# Altium PCB Power Board.PcbDoc (part 2 of 3) (continued)
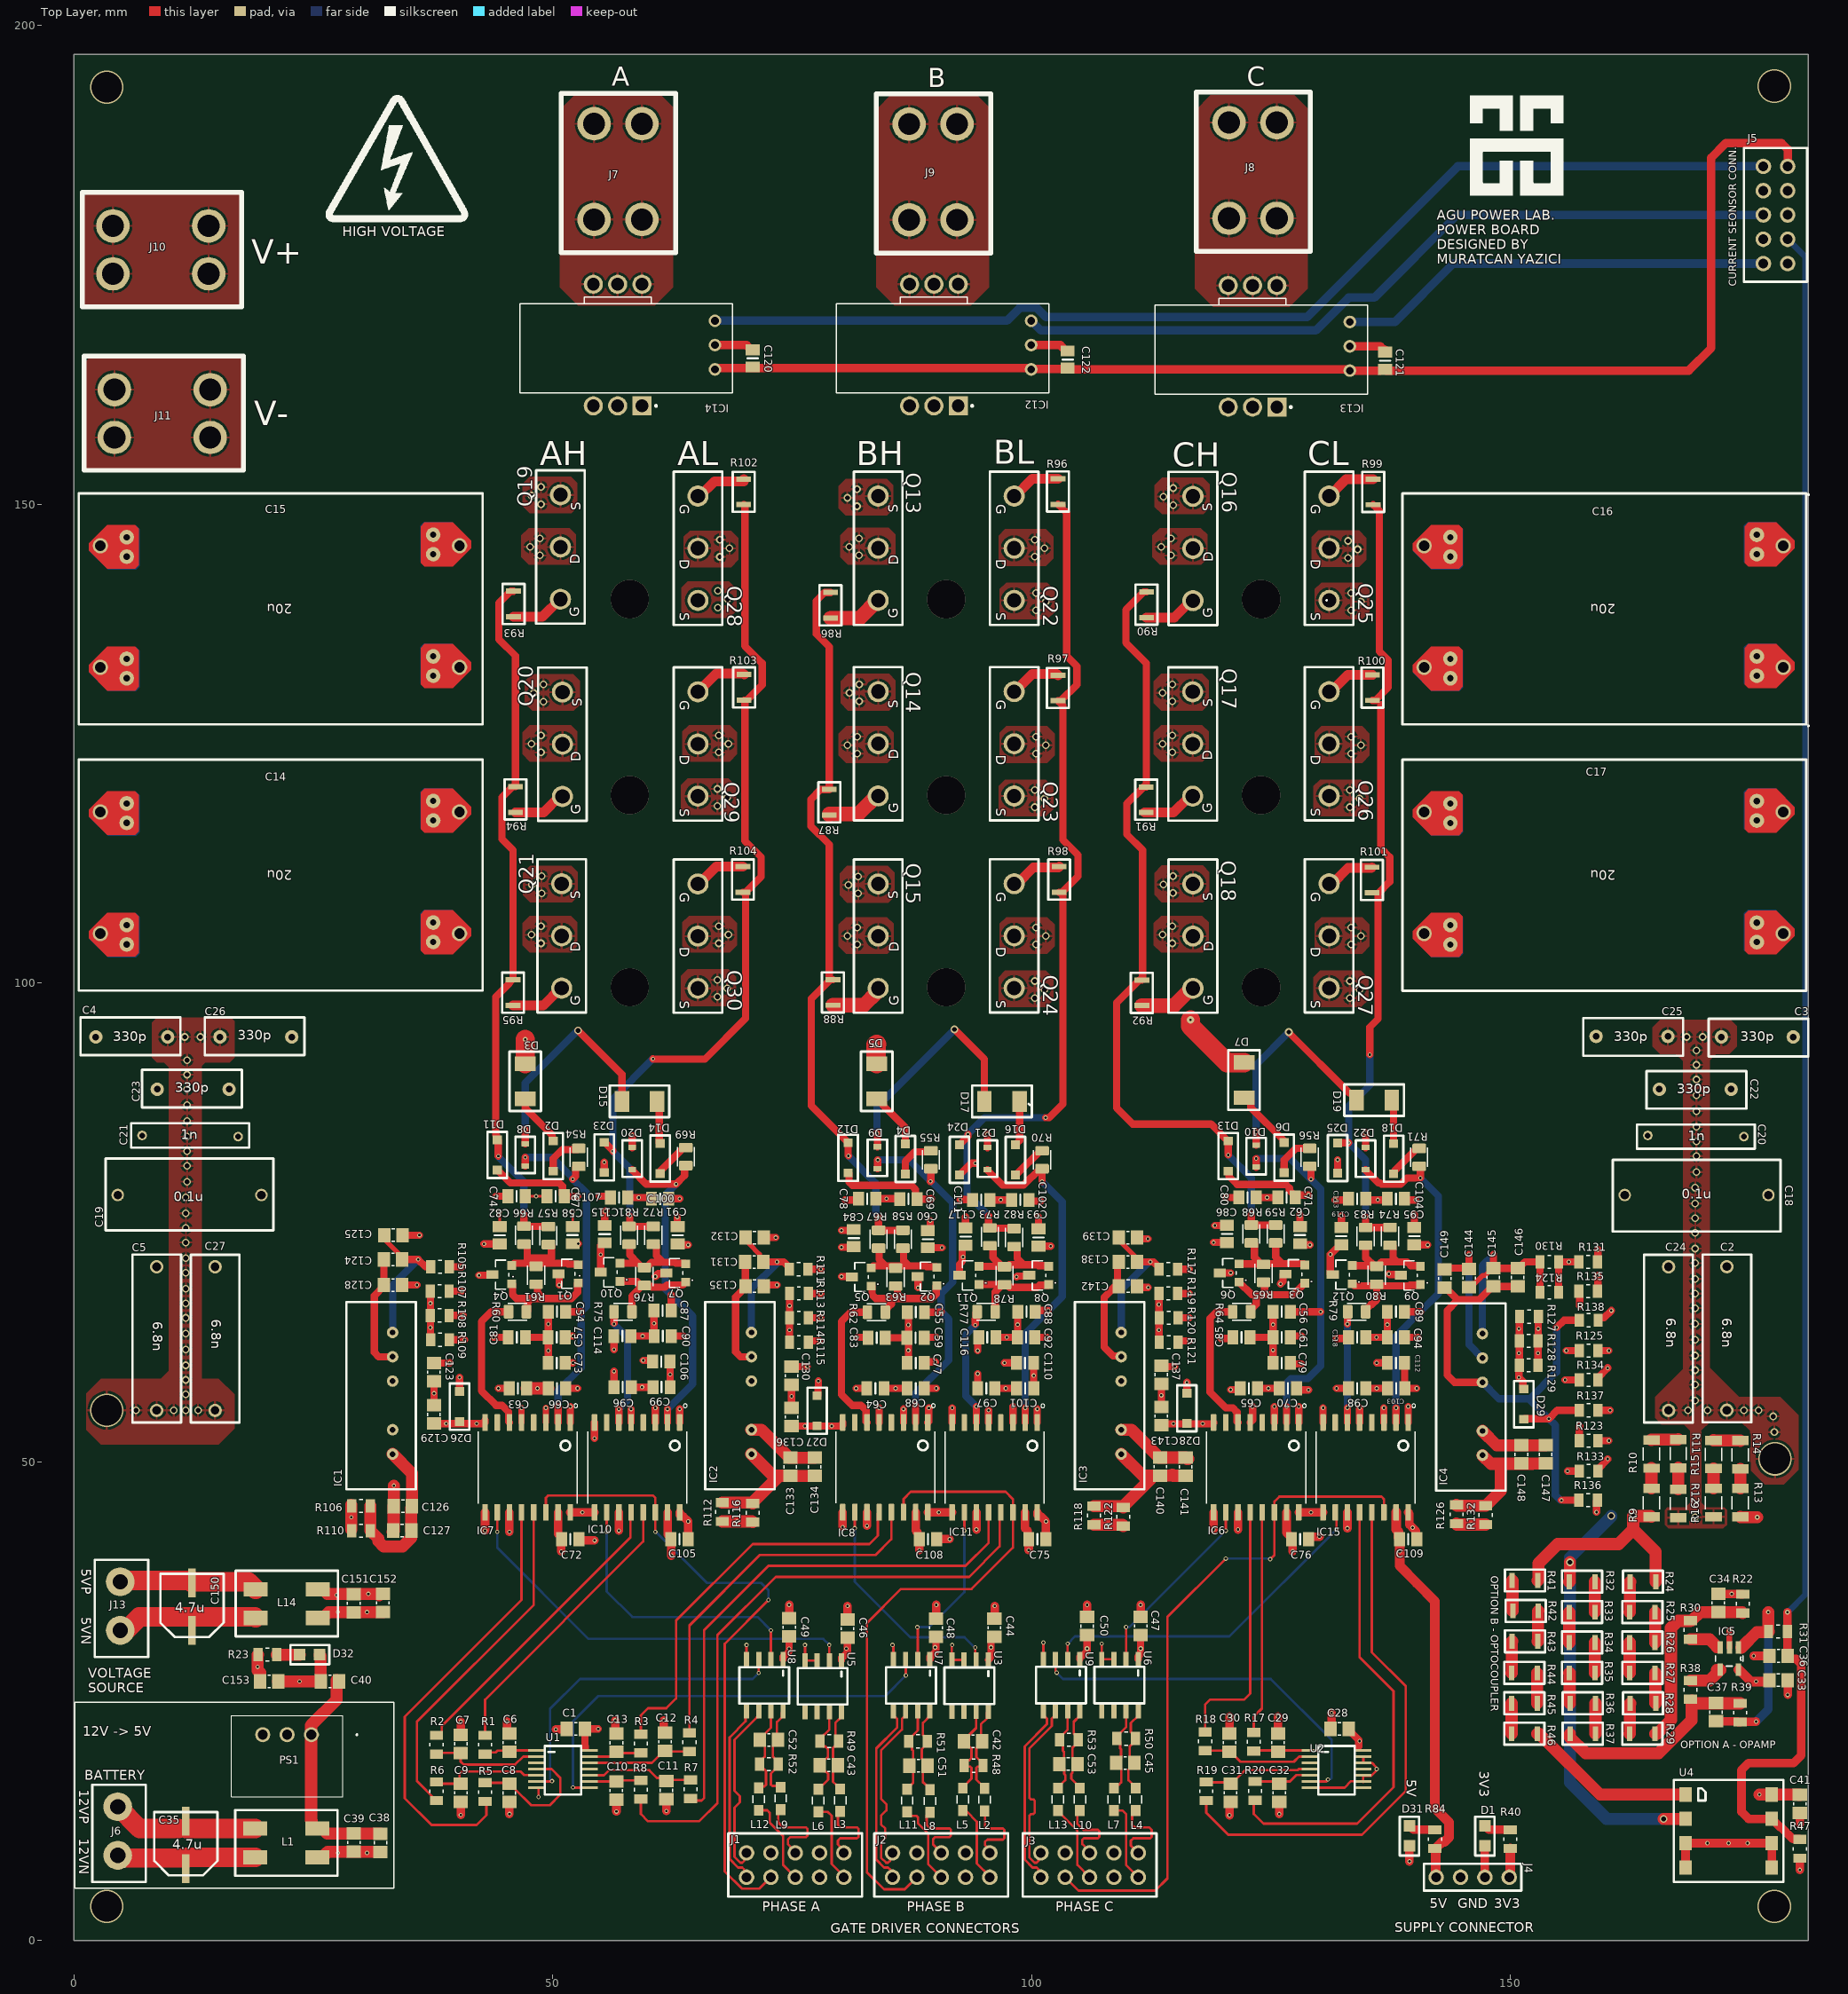
[diagram p0: Top Layer view]
## Nets (pads, with @x,y where several pads share a name; then routed paths per layer and width w, separated by ;. In a path a pad name is that pad's centre, name@x,y a point inside that pad or via, vN(x,y) a via of type N, cw(c..) or ccw(c..) an arc to the next point about the centre after c; other vN are vias at no path point) (continued)
NetC56_1: C56.1 D10.1 IC6.2 R56.1 | length 40.3
  Top Layer w0.762: D10.1@123.444,80.765 v1(123.444,81.661) ; IC6.2@126.619,54.093 v1(126.619,55.753) ; C56.1@127,65.659 v1(130.175,65.659) ; R56.1@129.032,80.853 129.04,80.853 129.159,80.734 v1@129.159,79.629
  Bottom Layer w0.762: v1(123.444,81.661) 127,81.661 v1(129.159,79.502) 130.175,78.486 v1(130.175,65.659) 130.175,60.009 128.84,58.674 127.065,58.674 126.619,58.228 v1(126.619,55.753)
NetC87_1: C87.1 D20.1 IC10.2 R69.1 | length 36.9
  Top Layer w0.762: D20.1@58.293,80.511 58.293,80.439 59.738,78.994 v1(62.865,78.994) 63.754,79.883 63.754,80.815 63.873,80.934 R69.1@63.881,80.934 ; IC10.2@61.976,54.093 v1(61.976,55.499) ; C87.1@62.357,65.786 v1(62.357,67.437)
  Bottom Layer w0.762: v1(61.976,55.499) 64.592,58.115 64.592,65.202 61.747,68.047 61.747,77.876 v1(62.865,78.994)
NetC88_1: C88.1 D21.1 IC11.2 R70.1 | length 37.6
  Top Layer w0.762: D21.1@95.377,80.511 95.377,80.439 96.942,78.874 99.157,78.874 100.882,80.599 R70.1@101.092,80.599 v1(101.092,79.248) ; IC11.2@99.314,54.084 v1(99.314,55.626) ; C88.1@100.352,65.659 100.479,65.786 v1(101.727,65.786)
  Bottom Layer w0.762: v1(99.314,55.626) 99.314,63.373 v1(101.727,65.786) 103.2,67.259 103.2,77.14 v1(101.092,79.248)
NetC89_1: C89.1 D22.1 IC15.2 R71.1 | length 37.8
  Top Layer w0.762: D22.1@134.874,80.511 134.874,80.439 136.192,79.121 136.398,79.121 136.542,78.977 138.533,78.977 139.185,79.629 v1(140.589,79.629) 140.589,80.772 140.508,80.853 R71.1@140.462,80.853 ; IC15.2@138.049,54.093 v1(138.049,55.626) ; C89.1@138.938,65.659 v1(140.589,65.659)
  Bottom Layer w0.762: v1(138.049,55.626) 138.049,63.119 v1(140.589,65.659) 142.469,67.539 142.469,77.749 v1(140.589,79.629)
NetC124_1: C124.1 C125.1 IC1.5 R105.1 | length 15.3
  Top Layer w0.508: C125.1@32.512,73.538 32.512,73.152 C124.1@34.417,71.247
  Top Layer w0.762: C125.1@32.39,73.66 C125.1@32.512,73.538 ; C124.1@34.268,71.121 v1(35.941,71.12) v1(35.941,71.12) 36.703,70.358 R105.1@37.249,70.358
  Bottom Layer w0.762: IC1.5@33.274,63.5 33.274,68.453 v1(35.941,71.12)
NetC124_2: C124.2 C128.1 IC1.4 | length 12.2
  Top Layer w0.762: C124.2@32.368,71.121 C128.1@32.368,68.454 32.368,68.354 31.369,67.355 31.369,61.406 31.815,60.96 IC1.4@33.274,60.96
NetC126_1: C126.1 C127.1 IC1.1 R106.2 R110.2 | length 16.9
  Top Layer w1.27: R106.2@30.95,45.384 R110.2@30.95,42.799 31.778,41.971 31.778,41.696 32.326,41.148 34.308,41.148 35.202,42.042 ; IC1.1@33.274,50.8 35.294,48.78 C126.1@35.294,45.354 35.294,45.254 35.217,45.177 C127.1@35.217,42.814
NetC131_1: C131.1 C132.1 IC2.5 R111.1 | length 14.7
  Top Layer w0.508: C132.1@70.109,73.406 70.505,73.01 70.505,72.751 71.586,71.67 71.586,71.363 71.702,71.247 C131.1@72.009,71.247
  Top Layer w0.762: C131.1@71.982,70.867 74.123,70.867 74.676,70.314 R111.1@74.676,70.104
  Bottom Layer w0.762: IC2.5@70.739,63.5 70.739,68.072 73.406,70.739 v1(73.406,70.866)
NetC131_2: C131.2 C135.1 IC2.4 | length 11.7
  Top Layer w0.762: C131.2@70.082,70.867 70.095,70.854 70.095,68.34 C135.1@70.109,68.326 70.109,68.226 69.088,67.205 69.088,61.468 69.596,60.96 IC2.4@70.739,60.96
NetC133_1: C133.1 C134.1 IC2.1 R112.2 R116.2 | length 14.8
  Top Layer w1.27: R112.2@67.691,45.72 70.811,45.72 70.866,45.665 R116.2@70.866,45.644 70.866,45.744 73.651,48.529 ; IC2.1@70.739,50.8 73.01,48.529 73.651,48.529 ; C134.1@77.343,48.519 77.341,48.516 74.805,48.516 C133.1@74.803,48.514 74.788,48.529 73.651,48.529
NetC138_1: C138.1 C139.1 IC3.5 R117.1 | length 14.2
  Top Layer w0.508: C139.1@109.093,73.401 109.093,73.152 C138.1@110.871,71.374
  Top Layer w0.762: C139.1@109.093,73.401 C139.1@109.098,73.406 ; C138.1@110.998,70.866 v1(112.395,70.866) 112.732,70.866 113.284,70.314 R117.1@113.284,70.104
  Bottom Layer w0.762: IC3.5@109.347,63.5 109.347,67.945 112.268,70.866 v1(112.395,70.866)
NetC138_2: C138.2 C142.1 IC3.4 | length 11.7
  Top Layer w0.762: C138.2@109.098,70.866 108.966,70.734 108.966,68.58 107.569,67.183 107.569,61.976 108.501,61.044 109.263,61.044 IC3.4@109.347,60.96
NetC140_1: C140.1 C141.1 IC3.1 R118.2 R122.2 | length 15.3
  Top Layer w1.27: R118.2@106.508,45.354 109.501,45.354 R122.2@109.556,45.299 ; IC3.1@109.347,50.8 111.591,48.556 112.395,48.556 ; R122.2@109.556,45.227 R122.2@109.556,45.299 ; C141.1@116.078,48.514 116.063,48.529 114.793,48.529 114.681,48.641 114.596,48.556 113.427,48.556 C140.1@113.412,48.541 113.397,48.556 112.395,48.556 ; R122.2@109.556,45.299 109.556,45.327 112.395,48.166 112.395,48.556
NetC144_1: C144.1 C145.1 C146.1 IC4.5 R124.1 R130.1 | length 21.8
  Top Layer w0.508: C144.1@145.67,68.226 146.066,68.622 146.285,68.622 147.124,69.462 147.366,69.462 148.108,70.204 C145.1@148.208,70.204
  Top Layer w0.762: v1(148.209,71.628) 148.209,70.205 C145.1@148.208,70.204 148.436,70.204 148.463,70.231 148.49,70.204 C146.1@150.748,70.204 150.848,70.204 151.51,70.866 R130.1@153.073,70.866 R124.1@153.073,67.691
  Bottom Layer w0.762: IC4.5@147.066,63.373 147.066,70.485 v1(148.209,71.628)
NetC144_2: C144.2 C149.1 IC4.4 | length 15.5
  Top Layer w0.762: C149.1@143.128,70.077 143.282,70.231 145.565,70.231 C144.2@145.67,70.126 v1(145.67,71.627) v1(145.67,71.627)
  Bottom Layer w0.762: v1(145.67,71.627) 145.67,62.229 IC4.4@147.066,60.833
NetC147_1: C147.1 C148.1 IC4.1 R126.2 R132.2 | length 15.1
  Top Layer w1.27: R126.2@144.354,45.481 144.354,45.447 144.409,45.392 R132.2@147.402,45.392 148.971,46.961 148.971,49.784 ; IC4.1@147.066,50.673 147.955,49.784 148.971,49.784 ; C147.1@153.671,49.811 153.656,49.796 152.285,49.796 152.273,49.784 151.131,49.784 148.971,49.784
NetC150_1: C150.1 J13.1 L14.1 | length 14.6
  Top Layer w2.032: J13.1@4.826,37.465 4.953,37.592 C150.1@12.319,37.592 ; C150.1@12.319,37.338 12.446,37.465 18.189,37.465 L14.1@18.975,36.679
NetC150_2: C150.2 J13.2 L14.2 | length 14.8
  Top Layer w2.032: J13.2@4.826,32.385 5.432,32.385 6.829,33.782 18.872,33.782 L14.2@18.975,33.679
NetD1_2: D1.2 R40.1 | length 2.8
  Top Layer w0.889: D1.2@147.32,11.972 147.735,11.557 R40.1@149.987,11.557
NetD2_1: D2.1 R54.2 | length 4.4
  Top Layer w0.762: D2.1@50.038,80.34 50.038,81.661 50.981,82.604 52.586,82.604 R54.2@52.705,82.723
NetD2_2: D2.2 D3.2 | length 5.6
  Top Layer w0.762: D3.2@47.117,87.884 47.117,86.931 49.911,84.138 49.911,84.003 49.944,83.97 49.944,83.559 50.013,83.49 D2.2@50.038,83.49
NetD4_1: D4.1 R55.2 | length 4.5
  Top Layer w0.762: D4.1@86.804,80.044 86.804,81.371 87.788,82.354 89.142,82.354 89.281,82.492 89.281,82.55 89.358,82.473 R55.2@89.471,82.473
NetD4_2: D4.2 D5.2 | length 5.9
  Top Layer w0.762: D5.2@83.82,87.884 86.804,84.9 D4.2@86.804,83.194
NetD6_1: D6.1 R56.2 | length 4.5
  Top Layer w0.762: D6.1@126.365,80.189 126.365,81.516 127.572,82.723 R56.2@129.032,82.723
NetD6_2: D6.2 D7.2 | length 6.6
  Top Layer w0.762: D7.2@122.174,88.011 122.504,88.011 122.883,87.632 122.883,86.997 126.271,83.609 126.271,83.409 126.34,83.34 D6.2@126.365,83.34
NetD11_2: D11.2 R57.2 R66.2 R93.1 R94.1 R95.1 | length 73.5
  Top Layer w0.762: v1(44.323,81.915) 44.323,81.926 44.302,81.947 44.302,83.125 44.29,83.137 44.29,83.548 44.221,83.617 44.171,83.617 44.102,83.686 44.102,84.074 44.044,84.132 44.044,98.552 45.453,99.961 45.453,100.042 R95.1@45.635,100.224 ; R95.1@45.741,100.33 45.847,100.436 45.847,113.868 44.691,115.024 44.691,119.376 45.813,120.498 R94.1@46.101,120.498 46.101,134.163 44.374,135.89 44.374,139.683 45.61,140.919 R93.1@45.898,140.919 ; v1(46.99,75.819) R66.2@46.99,74.595 47.013,74.572 49.507,74.572 R57.2@49.53,74.549
  Bottom Layer w0.762: v1(44.323,81.915) 44.323,81.864 46.99,79.197 v1(46.99,75.819)
NetD12_2: D12.2 R58.2 R67.2 R86.1 R87.1 R88.1 | length 76.9
  Top Layer w0.762: R86.1@78.994,140.779 78.397,140.779 77.521,139.903 77.521,136.449 78.867,135.103 R87.1@78.867,120.206 77.965,120.206 76.937,119.177 76.937,116.383 78.867,114.452 78.867,100.449 R88.1@78.973,100.343 ; R88.1@79.248,100.343 R88.1@78.973,100.343 ; v1(80.867,81.947) 80.835,81.978 D12.2@80.835,83.321 76.987,87.169 76.987,98.37 78.96,100.343 R88.1@78.973,100.343 ; v1(84.01,75.501) R67.2@84.01,74.172 R58.2@86.55,74.172
  Bottom Layer w0.762: v1(80.867,81.947) 83.722,79.092 83.722,75.79 v1(84.01,75.501)
NetD13_2: D13.2 R59.2 R68.2 R90.1 R91.1 R92.1 | length 84.3
  Top Layer w0.762: R91.1@111.963,120.472 R91.1@111.857,120.472 ; R90.1@111.989,140.843 111.701,140.843 109.83,138.972 109.83,135.534 111.963,133.401 111.963,120.578 R91.1@111.857,120.472 ; v1(120.523,82.042) D13.2@120.523,83.49 120.498,83.49 118.72,85.268 110.541,85.268 108.864,86.944 108.864,97.951 111.218,100.305 R92.1@111.506,100.305 111.582,100.381 111.582,113.868 109.931,115.519 109.931,118.728 111.675,120.472 R91.1@111.857,120.472 ; v1(122.936,75.819) 122.936,74.723 R68.2@122.935,74.722 R59.2@125.476,74.722
  Bottom Layer w0.762: v1(120.523,82.042) 122.936,79.629 v1(122.936,75.819)
NetD14_1: D14.1 R69.2 | length 4
  Top Layer w0.762: D14.1@61.214,80.086 61.239,80.086 61.308,80.155 61.308,80.441 63.671,82.804 R69.2@63.881,82.804
NetD14_2: D14.2 D15.2 | length 4.5
  Top Layer w0.762: D15.2@60.896,87.63 61.12,87.407 61.12,83.305 61.189,83.236 D14.2@61.214,83.236
NetD16_1: D16.1 R70.2 | length 3.8
  Top Layer w0.762: D16.1@98.298,79.959 98.367,80.028 98.441,80.028 100.882,82.469 R70.2@101.092,82.469
NetD16_2: D16.2 D17.2 | length 4.7
  Top Layer w0.762: D16.2@98.298,83.109 98.323,83.109 98.392,83.178 98.392,83.203 98.742,83.554 D17.2@98.742,87.63
NetD18_1: D18.1 R71.2 | length 3.9
  Top Layer w0.762: D18.1@137.795,80.062 137.82,80.062 137.889,80.132 137.889,80.36 140.252,82.723 R71.2@140.462,82.723
NetD18_2: D18.2 D19.2 | length 4.6
  Top Layer w0.762: D19.2@137.605,87.757 137.795,87.566 D18.2@137.795,83.213
NetD23_2: D23.2 R72.2 R81.2 R102.1 R103.1 R104.1 | length 92.5
  Top Layer w0.762: D23.2@55.372,83.363 55.397,83.363 56.261,82.499 v1(56.261,82.423) ; v1(58.039,75.692) 58.039,74.669 R81.2@57.954,74.584 R72.2@60.494,74.584 ; v1(60.452,92.075) 60.477,92.05 65.888,92.05 70.129,96.291 70.129,109.368 R104.1@70.023,109.474 ; R104.1@69.85,109.474 R104.1@70.023,109.474 ; R102.1@69.926,149.962 69.947,149.962 70.053,149.856 70.053,135.204 71.857,133.401 71.857,131.132 70.265,129.54 R103.1@69.977,129.54 70.053,129.464 70.053,114.859 71.755,113.157 71.755,111.091 70.138,109.474 R104.1@70.023,109.474
  Bottom Layer w0.762: v1(58.039,75.692) 58.039,80.645 v1(56.261,82.423) 56.261,87.884 v1(60.452,92.075)
NetD24_2: D24.2 R73.2 R82.2 R96.1 R97.1 R98.1 | length 92.7
  Top Layer w0.762: D24.2@92.456,83.109 92.481,83.109 93.345,83.973 v1(93.345,84.201) ; v1(95.504,75.692) 95.504,74.541 95.623,74.422 R73.2@95.631,74.422 95.672,74.381 98.13,74.381 R82.2@98.171,74.341 ; v1(101.448,85.928) 101.829,85.928 103.251,87.351 103.251,109.368 102.976,109.368 R98.1@102.87,109.474 ; R96.1@102.743,149.987 102.849,149.881 103.137,149.881 103.137,149.593 103.657,149.073 103.657,134.137 104.724,133.071 104.724,131.17 103.031,129.476 102.967,129.476 R97.1@102.743,129.476 102.849,129.371 103.137,129.371 103.137,129.083 103.251,128.969 103.251,114.935 104.826,113.36 104.826,111.142 R98.1@103.158,109.474
  Bottom Layer w0.762: v1(95.504,75.692) 93.247,77.949 93.247,84.103 v1(93.345,84.201) 95.072,85.928 v1(101.448,85.928)
NetD25_2: D25.2 R74.2 R83.2 R99.1 R100.1 R101.1 | length 83.3
  Top Layer w0.762: D25.2@131.953,83.287 131.978,83.312 v1(133.096,83.312) ; v1(134.874,75.565) R83.2@134.874,74.468 R74.2@137.414,74.468 ; v1(135.306,92.507) 135.306,95.377 136.169,96.241 136.169,109.347 137.389,110.566 137.389,113.157 136.474,114.071 136.474,129.061 ; R100.1@135.585,129.515 135.873,129.515 137.236,130.878 137.236,133.706 136.296,134.645 136.296,149.314 136.055,149.555 136.055,149.843 135.767,149.843 R99.1@135.661,149.949
  Bottom Layer w0.762: v1(134.874,75.565) 134.874,81.534 v1(133.096,83.312) 133.096,87.122 135.306,89.332 v1(135.306,92.507)
NetD31_2: D31.2 R84.1 | length 2.8
  Top Layer w0.889: D31.2@139.446,11.972 139.861,11.557 R84.1@142.113,11.557
NetD32_2: D32.2 R23.1 | length 2.4
  Top Layer w1.27: R23.1@21.171,29.845 D32.2@23.554,29.845
NetIC5_3: IC5.3 R30.2 | length 3.1
  Top Layer w1.27: R30.2@168.783,31.445 170.808,31.445 171.552,30.701 171.552,30.632
NetIC5_4: IC5.4 R38.2 | length 3.8
  Top Layer w1.27: R38.2@168.783,27.14 170.777,27.14 171.552,27.915 171.552,28.245 171.577,28.27 IC5.4@171.907,28.27
NetIC6_6: IC6.6 R64.1 | length 15.2
  Top Layer w0.762: R64.1@120.985,65.659 119.318,65.659 118.618,64.959 118.618,57.277 120.269,55.626 121.002,55.626 121.448,55.18 121.448,54.184 IC6.6@121.539,54.093
NetIC6_14: IC6.14 IC15.14 J3.8 | length 71.7
  Top Layer w0.254: J3.8@103.505,6.604 104.902,5.207 112.903,5.207 114.173,6.477 114.173,33.782 v1(120.269,39.878) ; v1(124.904,39.814) 125.349,40.259 IC6.14@125.349,44.713 125.349,45.847 125.857,46.355 136.525,46.355 136.779,46.101 IC15.14@136.779,44.713
  Bottom Layer w0.254: v1(120.269,39.878) 124.841,39.878 v1(124.904,39.814)
NetIC7_6: IC7.6 R60.1 | length 15.4
  Top Layer w0.762: R60.1@45.374,65.659 43.561,65.659 42.545,64.643 42.545,57.404 44.069,55.88 44.704,55.88 45.375,55.209 45.375,54.184 IC7.6@45.466,54.093
NetIC7_14: IC7.14 IC10.14 J1.8 | length 68.4
  Top Layer w0.254: IC7.14@49.276,44.713 49.276,46.228 49.53,46.482 60.452,46.482 60.706,46.228 IC10.14@60.706,44.713 v1(60.706,42.672) ; v1(72.517,35.56) 67.945,30.988 67.945,7.206 69.738,5.413 71.58,5.413 J1.8@72.771,6.604
  Bottom Layer w0.254: v1(60.706,42.672) 60.75,42.672 66.084,37.338 71.755,37.338 72.517,36.576 v1(72.517,35.56)
NetIC8_6: IC8.6 R62.1 | length 15.3
  Top Layer w0.762: IC8.6@82.804,54.102 82.713,54.193 82.713,55.336 82.169,55.88 81.28,55.88 81.026,56.134 80.137,57.023 80.137,64.643 81.111,65.617 R62.1@82.85,65.617
NetIC8_14: IC8.14 IC11.14 J2.8 | length 69.5
  Top Layer w0.254: IC8.14@86.614,44.722 86.614,46.101 87.376,46.863 97.282,46.863 98.044,46.101 IC11.14@98.044,44.704 98.044,41.021 93.726,36.703 86.36,36.703 82.804,33.147 82.804,7.112 84.582,5.334 86.741,5.334 J2.8@88.011,6.604
NetIC10_6: IC10.6 R75.1 | length 12.4
  Top Layer w0.762: v1@56.388,64.479 R75.1@56.388,65.659 ; IC10.6@56.896,54.093 v1(56.896,55.499)
  Bottom Layer w0.762: v1(56.388,64.389) 57.81,62.967 57.81,56.413 v1(56.896,55.499)
NetIC11_6: IC11.6 R77.1 | length 12.4
  Top Layer w0.762: v1@94.107,64.389 94.107,64.884 94.196,64.973 94.196,65.54 R77.1@94.315,65.659 ; IC11.6@94.234,54.084 v1(94.234,55.753)
  Bottom Layer w0.762: v1(94.107,64.262) 93.116,63.271 93.116,56.871 v1(94.234,55.753)
NetIC15_6: IC15.6 R79.1 | length 11.6
  Top Layer w0.762: IC15.6@132.969,54.093 v1(132.969,55.626) ; v1(132.969,64.389) 132.969,65.624 R79.1@133.004,65.659
  Bottom Layer w0.762: v1(132.969,55.626) v1(132.969,64.389)
NetQ1_1: Q1.1 Q4.1 R60.2 R61.1 | length 13
  Top Layer w0.762: Q4.1@45.72,68.58 45.796,68.504 45.796,67.426 46.166,67.056 47.752,67.056 ; R60.2@47.244,65.659 47.363,65.778 47.363,66.667 47.752,67.056 ; R61.1@48.26,68.534 48.214,68.534 48.133,68.453 48.349,68.453 48.387,68.415 48.387,67.691 49.022,67.056 ; Q1.1@52.64,68.669 52.578,68.607 52.578,67.691 51.943,67.056 49.022,67.056 ; 47.752,67.056 49.022,67.056
NetQ1_2: Q1.2 Q4.2 R57.1 R61.2 R66.1 | length 13.2
  Top Layer w0.762: Q4.2@45.72,70.485 45.961,70.726 47.319,70.726 51.506,70.726 51.582,70.65 52.564,70.65 Q1.2@52.64,70.574 ; R66.1@46.99,72.725 47.2,72.725 47.319,72.606 47.319,71.135 47.47,71.286 49.859,71.286 49.859,72.56 49.74,72.679 R57.1@49.53,72.679
NetQ2_1: Q2.1 Q5.1 R62.2 R63.1 | length 12.2
  Top Layer w0.762: Q5.1@83.247,68.339 83.323,68.263 83.323,67.426 83.693,67.056 85.344,67.056 ; R62.2@84.72,65.617 84.72,65.827 85.344,66.451 85.344,67.056 ; R63.1@85.787,68.339 85.86,68.339 85.979,68.22 85.979,67.564 86.36,67.183 86.36,67.056 ; Q2.1@90.105,68.389 90.029,68.313 90.029,67.502 89.582,67.056 86.36,67.056 ; 85.344,67.056 86.36,67.056
NetQ2_2: Q2.2 Q5.2 R58.1 R63.2 R67.1 | length 11.2
  Top Layer w0.762: Q5.2@83.247,70.244 83.45,70.447 84.582,70.447 ; R67.1@84.01,72.302 84.074,72.239 84.074,71.12 84.582,70.612 84.582,70.447 ; R58.1@86.55,72.302 86.614,72.239 86.614,70.993 87.16,70.447 ; Q2.2@90.105,70.294 90.029,70.371 89.047,70.371 88.971,70.447 87.16,70.447 ; 84.582,70.447 87.16,70.447
NetQ3_1: Q3.1 Q6.1 R64.2 R65.1 | length 11.4
  Top Layer w0.762: Q6.1@121.666,68.758 122.987,67.437 123.444,67.437 ; R64.2@122.855,65.659 122.855,65.869 123.026,66.04 123.063,66.04 123.444,66.421 123.444,67.437 ; R65.1@124.206,68.742 124.298,68.742 124.333,68.707 124.333,67.437 ; Q3.1@128.524,68.631 127.33,67.437 124.333,67.437 ; 123.444,67.437 124.333,67.437
NetQ3_2: Q3.2 Q6.2 R59.1 R65.2 R68.1 | length 12.1
  Top Layer w0.762: Q6.2@121.666,70.663 R65.2@123.945,70.663 ; R68.1@122.935,72.852 123.145,72.852 123.264,72.733 123.264,71.344 R65.2@123.945,70.663 ; R65.2@124.206,70.612 123.996,70.612 R65.2@123.945,70.663 ; R65.2@124.206,70.663 124.553,70.663 124.579,70.688 126.111,70.688 ; R59.1@125.476,72.852 125.476,71.374 126.111,70.739 126.111,70.688 ; Q3.2@128.524,70.536 128.372,70.688 126.111,70.688
NetQ7_1: Q7.1 Q10.1 R75.2 R76.1 | length 10.7
  Top Layer w0.762: Q10.1@57.023,68.834 58.792,68.834 59.286,68.34 59.338,68.288 60.278,68.288 60.338,68.228 61.711,68.228 61.936,68.453 63.576,68.453 Q7.1@63.881,68.758 ; R75.2@58.258,65.659 58.258,67.312 59.353,68.407 R76.1@59.563,68.407
NetQ7_2: Q7.2 Q10.2 R72.1 R76.2 R81.1 | length 12.1
  Top Layer w0.762: Q10.2@57.023,70.739 R76.2@58.891,70.739 ; R81.1@57.954,72.714 58.039,72.629 58.039,71.591 R76.2@58.891,70.739 ; R72.1@60.494,72.714 60.704,72.714 60.823,72.595 60.823,71.521 61.529,70.815 ; Q7.2@63.881,70.663 63.805,70.739 62.823,70.739 62.747,70.815 61.529,70.815 ; R76.2@58.891,70.739 59.353,70.277 R76.2@59.563,70.277 59.773,70.277 60.311,70.815 61.529,70.815
NetQ8_1: Q8.1 Q11.1 R77.2 R78.1 | length 10.9
  Top Layer w0.762: Q11.1@94.488,68.504 97.384,68.504 97.688,68.199 100.584,68.199 100.813,68.428 101.703,68.428 Q8.1@101.779,68.504 ; R77.2@96.185,65.659 96.185,67.728 96.945,68.488 R78.1@97.155,68.488
NetQ8_2: Q8.2 Q11.2 R73.1 R78.2 R82.1 | length 12.7
  Top Layer w0.762: Q11.2@94.488,70.409 R78.2@96.894,70.409 ; R73.1@95.631,72.552 95.841,72.552 95.96,72.433 95.96,71.343 R78.2@96.894,70.409 ; R78.2@97.155,70.358 96.945,70.358 R78.2@96.894,70.409 ; R78.2@97.155,70.409 97.529,70.409 97.681,70.561 99.163,70.561 ; R82.1@98.171,72.471 98.381,72.471 98.5,72.352 98.5,71.224 99.163,70.561 ; Q8.2@101.779,70.409 101.703,70.485 100.722,70.485 100.646,70.561 99.163,70.561
NetQ9_1: Q9.1 Q12.1 R79.2 R80.1 | length 10.7
  Top Layer w0.762: Q12.1@133.477,68.58 133.68,68.377 R80.1@136.017,68.377 ; R79.2@134.874,65.659 134.874,65.869 135.45,66.445 135.571,66.445 136.017,66.891 R80.1@136.017,68.377 ; R80.1@136.017,68.534 R80.1@136.017,68.377 ; Q9.1@140.589,68.504 140.513,68.428 139.506,68.428 139.455,68.377 R80.1@136.017,68.377
NetQ9_2: Q9.2 Q12.2 R74.1 R80.2 R83.1 | length 12.5
  Top Layer w0.762: Q12.2@133.477,70.485 R80.2@135.726,70.485 ; R83.1@134.874,72.598 134.874,71.247 134.964,71.247 R80.2@135.726,70.485 ; R80.2@136.017,70.404 135.807,70.404 R80.2@135.726,70.485 ; R74.1@137.414,72.598 137.624,72.598 137.743,72.479 137.743,71.299 138.176,70.866 ; Q9.2@140.589,70.409 140.513,70.485 139.573,70.485 139.192,70.866 138.176,70.866 ; R80.2@135.726,70.485 136.144,70.485 136.525,70.866 138.176,70.866
NetQ13_1: Q13.1 R86.2 | length 5.7
  Top Layer w1.524: R86.2@78.994,138.112 82.055,138.112 83.896,139.954 Q13.1@83.972,139.954
NetQ14_1: Q14.1 R87.2 | length 6
  Top Layer w1.524: R87.2@78.867,117.538 78.867,117.658 78.88,117.671 81.928,117.671 83.789,119.532 Q14.1@83.972,119.532
NetQ15_1: Q15.1 R88.2 | length 5.6
  Top Layer w1.524: R88.2@79.248,97.676 82.486,97.676 83.843,99.032 83.843,99.312 Q15.1@83.972,99.441
NetQ16_1: Q16.1 R90.2 | length 5.6
  Top Layer w1.016: R90.2@111.989,138.176 114.882,138.176 116.634,139.929 Q16.1@116.84,139.929
NetQ17_1: Q17.1 R91.2 | length 5.7
  Top Layer w1.016: R91.2@111.785,117.805 R91.2@111.963,117.805 114.806,117.805 116.507,119.507 Q17.1@116.815,119.507
NetQ18_1: Q18.1 R92.2 | length 6.1
  Top Layer w1.524: R92.2@111.506,97.638 114.854,97.638 116.657,99.441 Q18.1@116.84,99.441
NetQ19_1: Q19.1 R93.2 | length 5.7
  Top Layer w1.016: R93.2@45.898,138.252 48.918,138.252 50.747,140.081 Q19.1@50.8,140.081
NetQ20_1: Q20.1 R94.2 | length 5.6
  Top Layer w1.016: R94.2@46.101,117.831 49.032,117.831 50.683,119.482 Q20.1@51.003,119.482
NetQ21_1: Q21.1 R95.2 | length 5.8
  Top Layer w1.016: R95.2@45.847,97.663 49.016,97.663 50.816,99.463 Q21.1@50.927,99.463
NetQ22_1: Q22.1 R96.2 | length 5.3
  Top Layer w1.016: Q22.1@98.171,150.854 98.282,150.854 100.082,152.654 R96.2@102.743,152.654
NetQ23_1: Q23.1 R97.2 | length 5.4
  Top Layer w1.016: Q23.1@98.171,130.429 98.224,130.429 100.053,132.258 102.629,132.258 R97.2@102.743,132.143
NetQ24_1: Q24.1 R98.2 | length 5.4
  Top Layer w1.016: Q24.1@98.171,110.363 98.478,110.363 100.18,112.065 102.794,112.065 R98.2@102.87,112.141
NetQ25_1: Q25.1 R99.2 | length 5.3
  Top Layer w1.016: Q25.1@131.064,150.854 131.093,150.854 132.842,152.603 135.649,152.603 R99.2@135.661,152.616
NetQ26_1: Q26.1 R100.2 | length 5.2
  Top Layer w1.016: Q26.1@131.064,130.429 131.27,130.429 133.022,132.182 R100.2@135.585,132.182
NetQ27_1: Q27.1 R101.2 | length 5.2
  Top Layer w1.016: Q27.1@131.064,110.363 131.384,110.363 133.035,112.014 135.458,112.014 R101.2@135.534,112.09
NetQ28_1: Q28.1 R102.2 | length 5.6
  Top Layer w1.016: Q28.1@65.151,150.854 65.334,150.854 66.865,152.385 69.913,152.385 69.926,152.398 R102.2@69.926,152.629
NetQ29_1: Q29.1 R103.2 | length 5.7
  Top Layer w1.016: Q29.1@65.151,130.407 67.078,132.334 69.85,132.334 R103.2@69.977,132.207
NetQ30_1: Q30.1 R104.2 | length 5.4
  Top Layer w1.016: Q30.1@65.151,110.341 65.262,110.341 67.062,112.141 R104.2@69.85,112.141
NetR9_1: R9.1 R10.1 | length 2.1
  Top Layer w1.27: R9.1@164.719,47.2 R10.1@164.719,49.32
NetR10_2: R10.2 R11.2 | length 2.8
  Top Layer w1.27: R10.2@164.719,52.28 164.741,52.302 167.491,52.302 R11.2@167.513,52.324
NetR11_1: R11.1 R12.1 | length 2.2
  Top Layer w1.27: R12.1@167.513,47.117 R11.1@167.513,49.364
NetR13_2: R13.2 R14.2 | length 2
  Top Layer w1.27: R13.2@173.99,47.2 R14.2@173.99,49.237
NetR14_1: R14.1 R15.1 | length 2.8
  Top Layer w1.27: R15.1@171.196,52.236 171.215,52.216 173.971,52.216 R14.1@173.99,52.197
NetR15_2: R15.2 R16.2 | length 2.1
  Top Layer w1.27: R16.2@171.196,47.2 R15.2@171.196,49.276
NetR24_2: R24.2 R25.1 | length 3.2
  Top Layer w1.27: R25.1@162.433,34.29 162.465,34.322 162.465,37.433 R24.2@162.496,37.465
NetR25_2: R25.2 R26.1 | length 3.2
  Top Layer w1.27: R26.1@165.1,31.115 R25.2@165.1,34.29
NetR26_2: R26.2 R27.1 | length 3.2
  Top Layer w1.27: R27.1@162.433,27.94 R26.2@162.433,31.115
NetR27_2: R27.2 R28.1 | length 3.2
  Top Layer w1.27: R27.2@165.1,27.94 165.132,27.908 165.132,24.797 R28.1@165.163,24.765
NetR28_2: R28.2 R29.1 | length 3.2
  Top Layer w1.27: R29.1@162.433,21.59 162.465,21.622 162.465,24.733 R28.2@162.496,24.765
NetR32_2: R32.2 R33.1 | length 3.2
  Top Layer w1.27: R33.1@158.814,34.29 R32.2@158.814,37.465
NetR33_2: R33.2 R34.1 | length 3.2
  Top Layer w1.27: R34.1@156.147,31.115 R33.2@156.147,34.29
NetR34_2: R34.2 R35.1 | length 3.2
  Top Layer w1.27: R35.1@158.814,27.94 R34.2@158.814,31.115
NetR35_2: R35.2 R36.1 | length 3.2
  Top Layer w1.27: R35.2@156.147,27.94 156.178,27.908 156.178,24.797 R36.1@156.21,24.765
NetR36_2: R36.2 R37.1 | length 3.2
  Top Layer w1.27: R37.1@158.877,21.59 R36.2@158.877,24.765
NetR41_2: R41.2 R42.1 | length 3.2
  Top Layer w1.27: R41.2@150.177,37.592 150.209,37.56 150.209,34.449 R42.1@150.241,34.417
NetR42_2: R42.2 R43.1 | length 3.2
  Top Layer w1.27: R43.1@152.844,31.242 152.876,31.274 152.876,34.385 R42.2@152.908,34.417
NetR43_2: R43.2 R44.1 | length 3.3
  Top Layer w1.27: R44.1@150.114,27.94 150.146,27.972 150.146,31.21 R43.2@150.177,31.242
NetR44_2: R44.2 R45.1 | length 3.2
  Top Layer w1.27: R45.1@152.781,24.765 R44.2@152.781,27.94
NetR45_2: R45.2 R46.1 | length 3.2
  Top Layer w1.27: R46.1@150.114,21.59 R45.2@150.114,24.765
NetR46_2: R46.2 U4.1 | length 18.1
  Top Layer w1.27: R46.2@152.781,21.59 153.001,21.59 159.351,15.24 U4.1@168.275,15.24
V00: D29.1 R127.1 R128.1 R129.1 R133.2 R134.2 R135.2 | length 12.1
  Top Layer w0.762: R127.1@150.952,65.151 150.933,65.132 150.933,60.09 R129.1@150.914,60.071 150.876,60.033 v1(150.876,58.801) 151.29,58.387 151.29,57.651 151.359,57.582 D29.1@151.384,57.582 ; v1(155.702,58.547) R134.2@157.175,58.547 ; v1(155.956,49.022) R133.2@157.175,49.022 ; R135.2@157.137,67.818 157.226,67.729 v1(157.226,66.294)
  other v1: 150.876,61.341 150.876,63.881
V0_AH: C54.2 C57.2 C58.2 C66.2 C67.2 C73.1 C74.1 C81.1 C82.1 C123.2 C129.1 D8.2 D15.1 D26.1 IC7.3 IC14.1 IC14.2 IC14.3 Q19.3 Q20.3 Q21.3 Q28.2 Q29.2 Q30.2 R107.1 R108.1 R109.1 | length 48.3
  Top Layer w0.254: C82.1@44.45,74.549 v1(44.45,76.073) ; C74.1@47.117,77.724 C67.2@49.403,77.724 ; C58.2@52.07,74.571 v1(52.07,76.073)
  Top Layer w0.635: IC7.3@49.276,54.093 v1(49.276,55.626)
  Top Layer w0.762: R107.1@37.211,67.818 37.23,67.799 37.23,62.757 R109.1@37.249,62.738 ; C129.1@37.592,55.88 C123.2@37.591,58.398 ; D26.1@40.259,57.328 v1(40.259,58.801) ; D8.2@47.117,83.192 v1(47.117,84.709) ; C81.1@47.139,62.992 C57.2@49.508,62.992 ; C73.1@49.508,60.325 49.519,60.336 49.519,65.648 C54.2@49.53,65.659 ; C66.2@51.33,57.658 v1(52.578,57.658) ; v2(52.629,95.047) 57.213,90.462 D15.1@57.213,87.63
  Bottom Layer w0.762: v1(47.117,84.709) 47.117,89.535 v2(52.629,95.047)
  other v1: 37.591,57.139 49.53,61.595 37.211,64.008 49.53,64.389 37.211,66.548 48.26,77.724
  other v2: 67.31,104.14 68.326,105.029 67.31,105.918 48.819,109.372 47.803,110.261 48.819,111.15 67.31,124.079 68.326,124.968 67.31,125.857 49.022,129.388 48.006,130.277 49.022,131.166 67.437,144.504 68.453,145.393 67.437,146.282 48.768,150.012 47.752,150.901 48.768,151.79